# Altium PCB analog_io.PcbDoc
Units mil, origin at the board's own origin, x right, y up, seen from the top; angles counter-clockwise.
Board outline 5876 x 3057 mil, 4 copper layers (Top Layer, GND, PWR, Bottom Layer), stack 60.8 mil thick; 98 components, 90 nets, 403 pads, 218 vias.
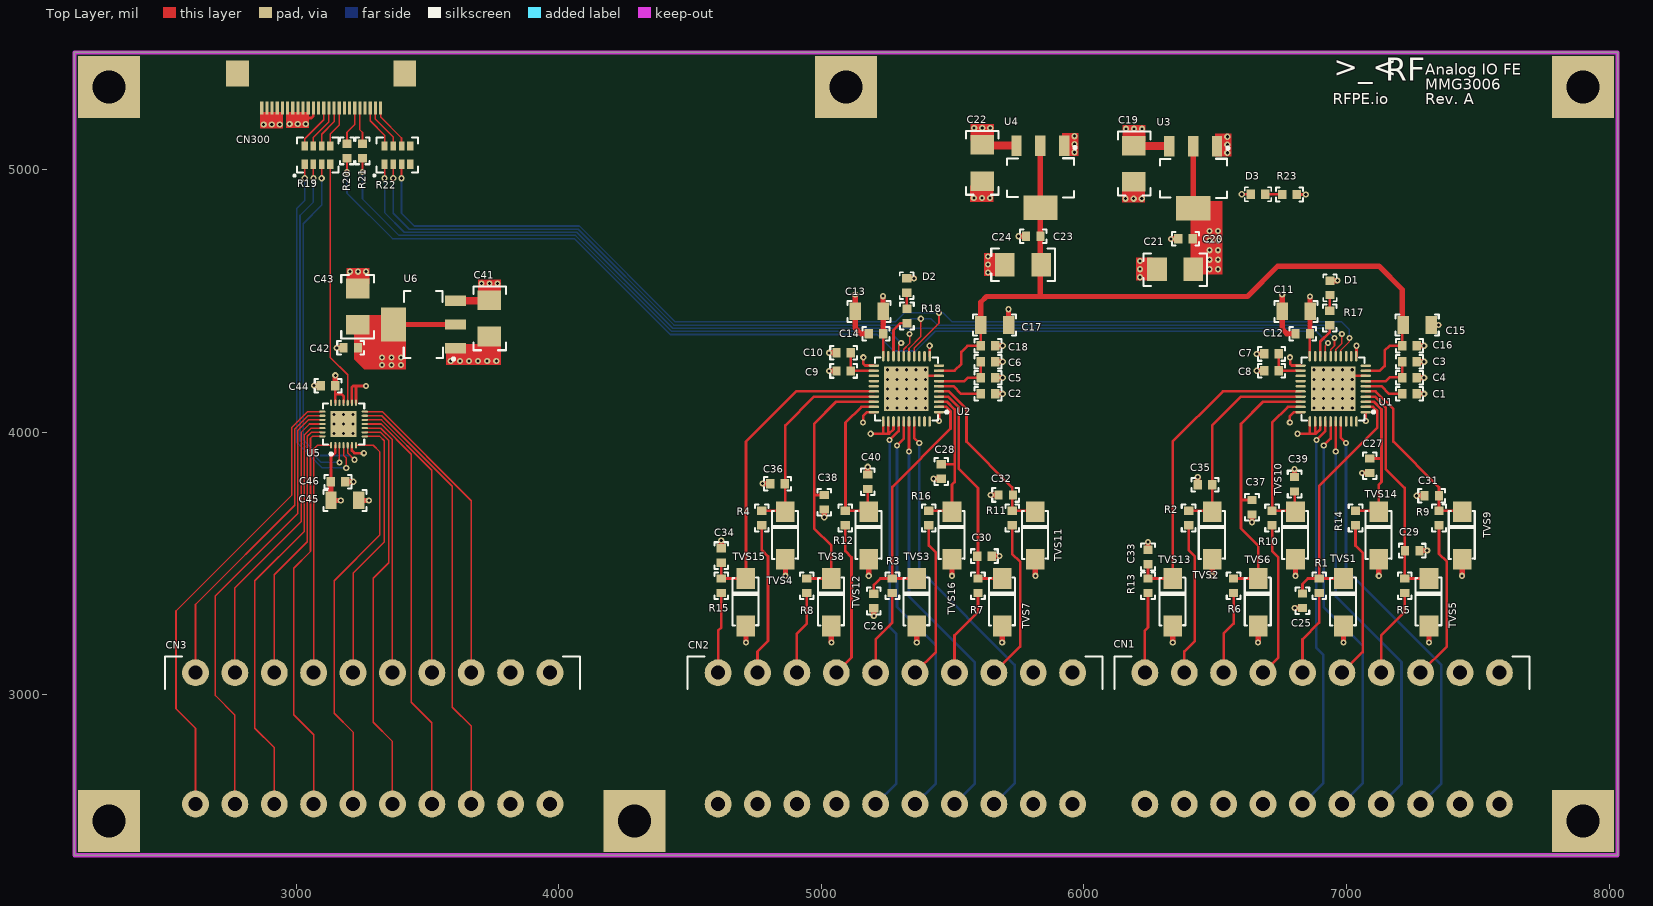
[diagram p0: Top Layer view]
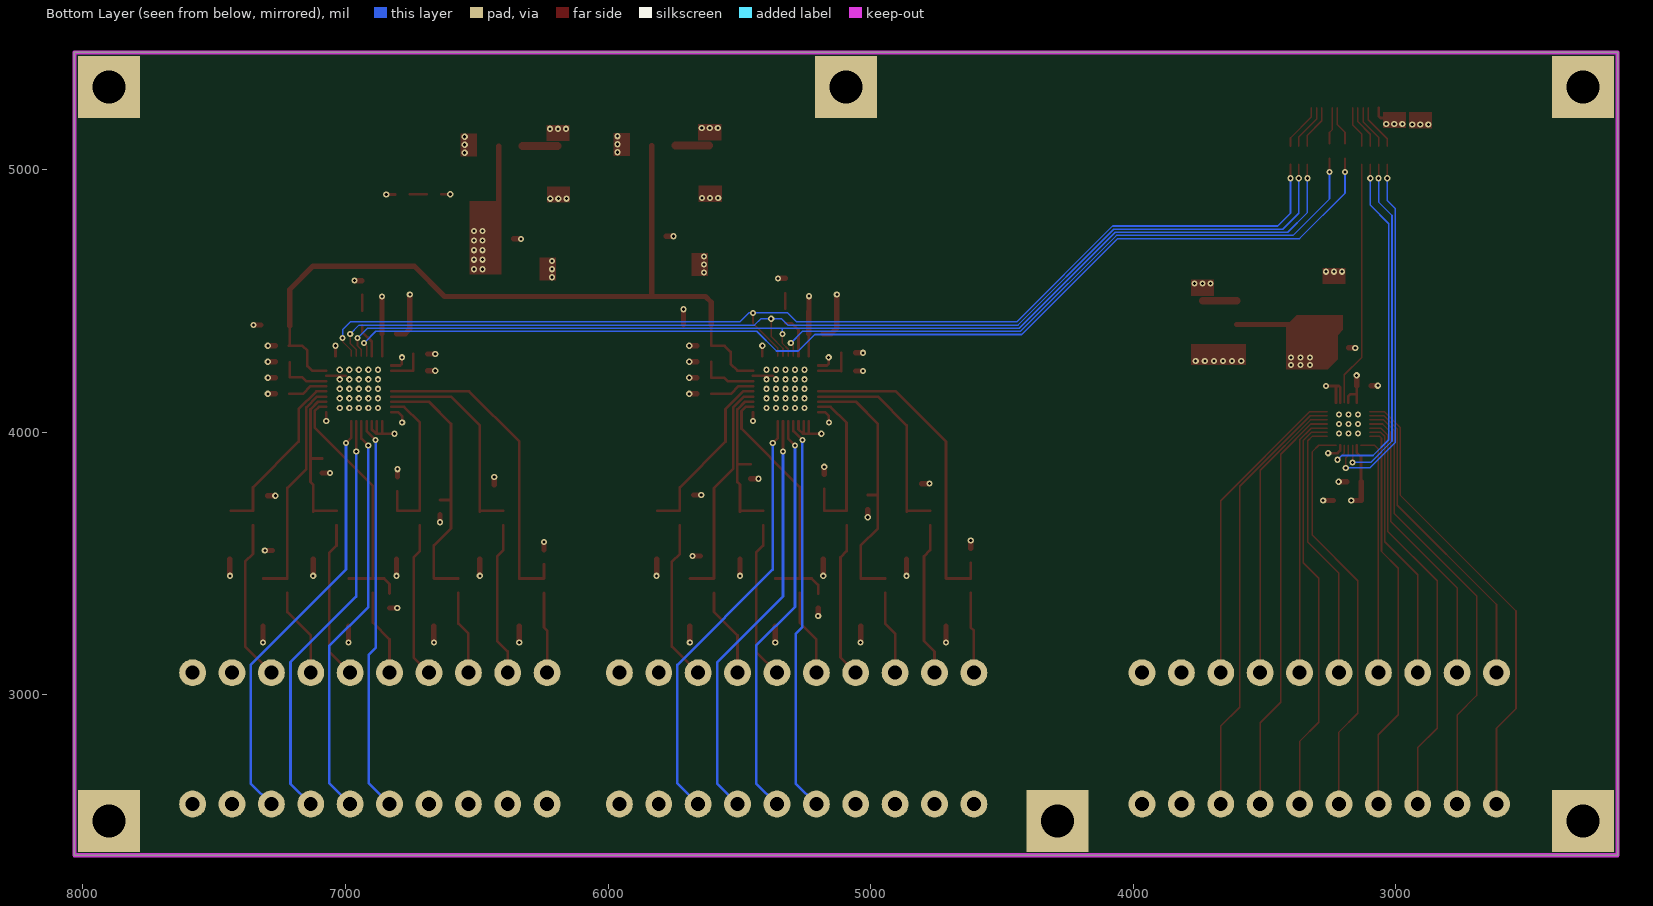
[diagram p1: Bottom Layer view, seen from below]
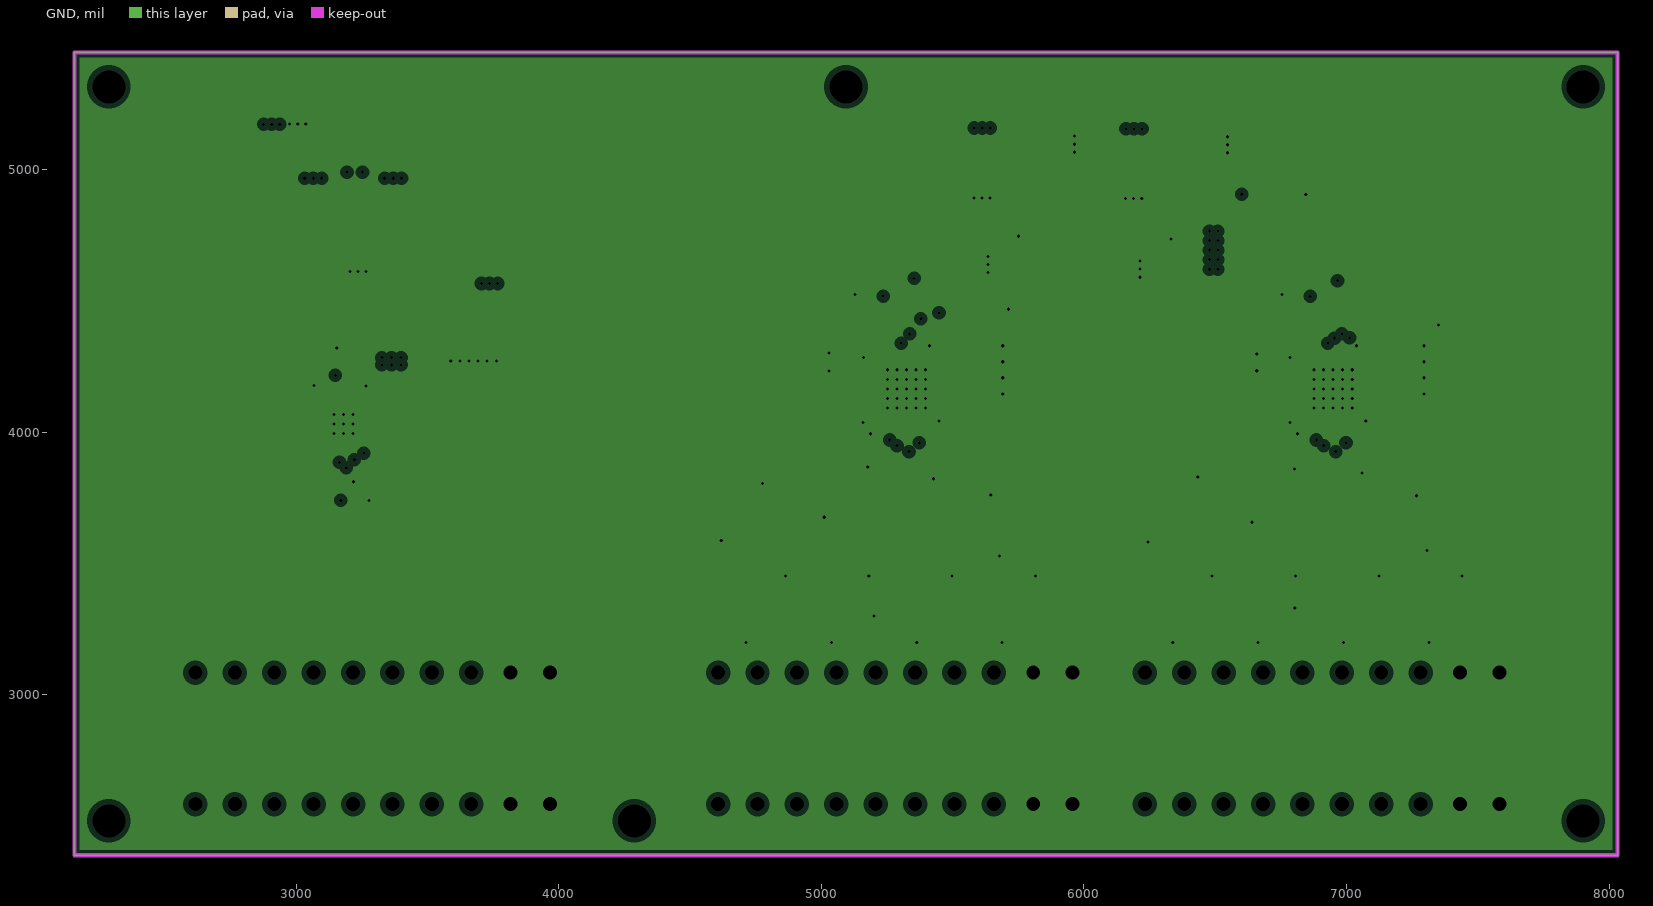
[diagram p2: GND, clearances drawn from the general rule]
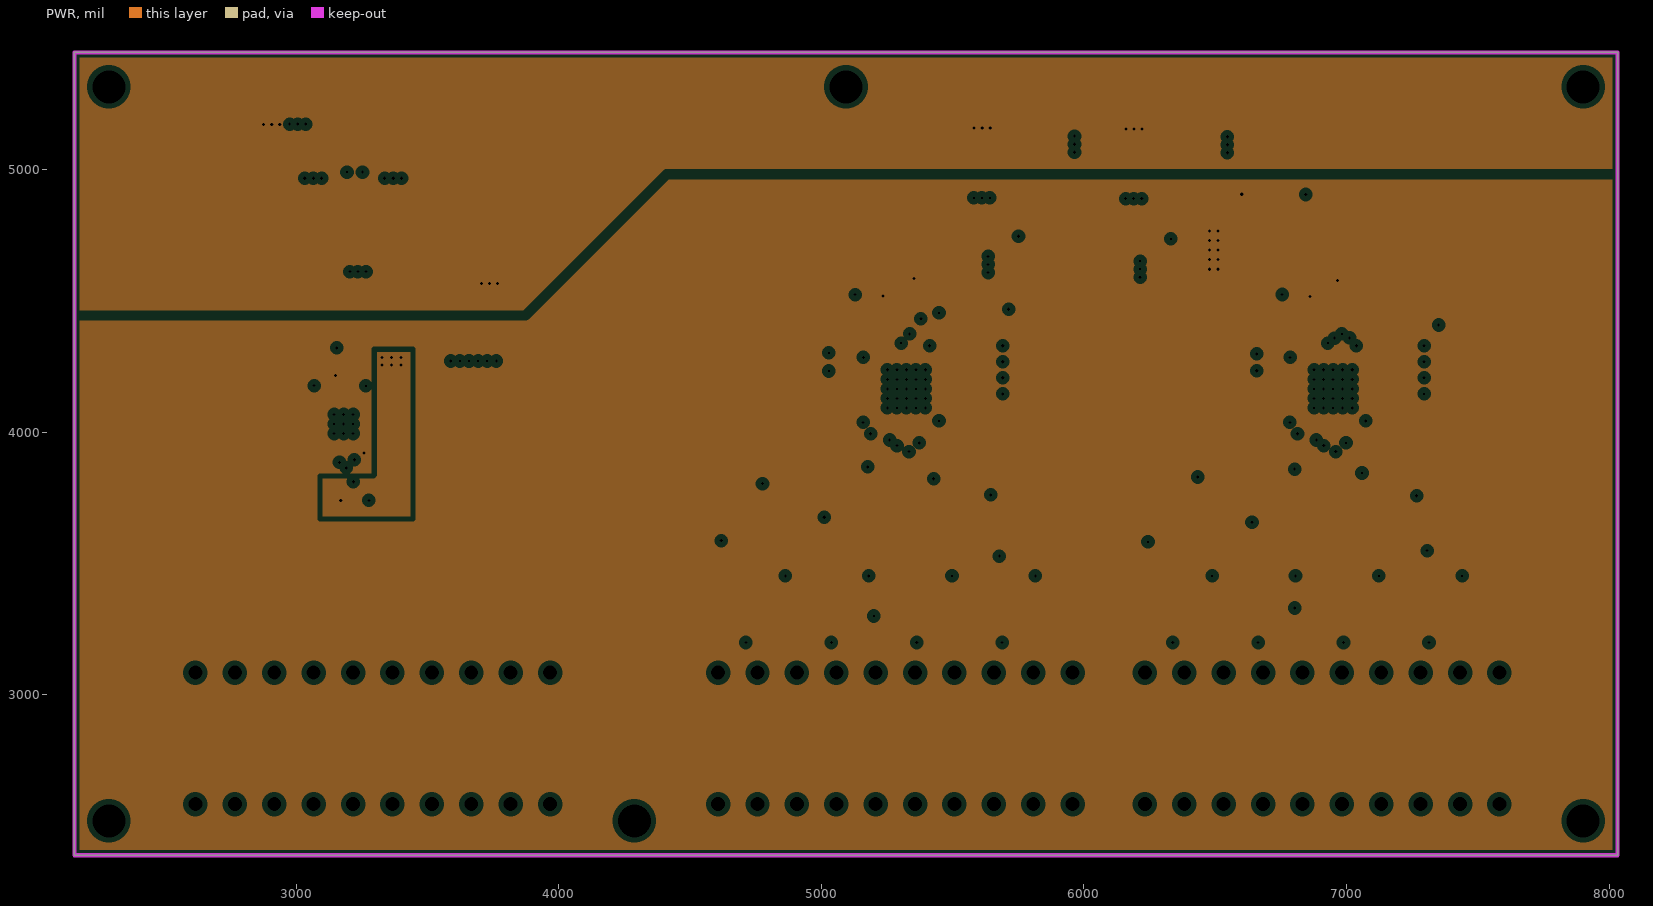
[diagram p3: PWR, clearances drawn from the general rule]

## Layer stack, top to bottom
Top Layer: signal copper 1.4
Dielectric: core 12.6, FR-4, Dk 4.8
GND: plane copper 1.4, net GND
Dielectric: prepreg 12.6, FR-4, Dk 4.8
PWR: plane copper 1.4, net D3V3
Dielectric: core 30, FR-4, Dk 4.8
Bottom Layer: signal copper 1.4

## Board outline
2156,2389 2156,5446 8032,5446 8032,2389

## Design rules (kind name [scope] priority, off if disabled: settings)
Clearance [All] p1: gap=6
Height [All] p1: minheight=0 maxheight=10000 prefheight=500
PlaneClearance [All] p1: clearance=20
PlaneConnect [All] p1: planeconnectstyle=Relief reliefexpansion=20 reliefentries=4 reliefconductorwidth=15 reliefairgap=10
PolygonConnect [All] p1: connectstyle=Relief reliefconductorwidth=10 reliefentries=4 polygonreliefangle="90 Angle"
RoutingVias [All] p1: holewidth=28 width=50 viastyle="Through Hole" minholewidth=28 minwidth=50 maxholewidth=28 maxwidth=50
SilkscreenOverComponentPads [All] p1: minsilkscreentomaskgap=10
SolderMaskExpansion [All] p1: expansion=4
Width [All] p1: maxlimit=1000 minlimit=6 preferedwidth=10
24 further rules are at their usual default settings.

## Classes and differential pairs
component class adc_420: C1 C2 C3 C4 C5 C6 C7 C8 C9 C10 C11 C12 C13 C14 C15 C16 C17 C18 C25 C26 C27 C28 C29 C30 C31 C32 C33 C34 C35 C36 C37 C38 C39 C40 CN1 CN2 D1 D2 R1 r2 R3 R4 R5 R6 R7 R8 R9 R10 R11 R12 R13 R14 R15 R16 R17 R18 TVS1 TVS2 TVS3 TVS4 TVS5 TVS6 TVS7 TVS8 TVS9 TVS10 TVS11 TVS12 TVS13 TVS14 TVS15 TVS16 U1 U2
component class analog_pwr: C19 C20 C21 C22 C23 C24 C41 C42 C43 D3 R23 U3 U4 U6
component class dac: C44 C45 C46 CN3 U5
component class aio_conn: CN300 R19 R20 R21 R22

## Components (designator, comment, footprint, x,y, rotation, side; value= is the part's Value field where it differs from the comment)
C1 "1uF" C0603 7239.56,4146 r0 top
C2 "1uF" C0603 5635,4146 r0 top
C3 "1uF" C0603 7239.56,4268 r0 top
C4 "100nF" C0603 7239.56,4207 r0 top
C5 "1uF" C0603 5635,4207 r0 top
C6 "100nF" C0603 5635,4268 r0 top
C7 "1uF" C0603 6714,4298 r180 top
C8 "100nF" C0603 6714,4234 r180 top
C9 "1uF" C0603 5085,4233 r180 top
C10 "100nF" C0603 5085,4302 r180 top
C11 "10uF" C1206N 6808,4459 r0 top
C12 "100nF" C0603 6833,4375 r180 top
C13 "10uF" C1206N 5182,4459 r0 top
C14 "100nF" C0603 5208,4375 r180 top
C15 "10uF" C1206N 7269,4409 r180 top
C16 "100nF" C0603 7239.56,4329 r0 top
C17 "10uF" C1206N 5660,4409 r180 top
C18 "100nF" C0603 5635,4329 r0 top
C19 "4.7uF" TANT_B 6193,5022 r90 top
C20 "4.7uF" C0603 6387,4736 r180 top
C21 "4.7uF" TANT_B 6347,4617 r0 top
C22 "4.7uF" TANT_B 5615,5025 r90 top
C23 "4.7uF" C0603 5807,4746 r180 top
C24 "4.7uF" TANT_B 5768,4635 r0 top
C25 "1uF" C0603 6832,3358 r90 top
C26 "1uF" C0603 5200,3357 r90 top
C27 "1uF" C0603 7088,3872 r90 top
C28 "1uF" C0603 5457,3850 r90 top
C29 "1uF" C0603 7250,3549 r180 top
C30 "1uF" C0603 5621,3528 r180 top
C31 "1uF" C0603 7324,3758 r0 top
C32 "1uF" C0603 5702,3761 r0 top
C33 "1uF" C0603 6244,3525 r270 top
C34 "1uF" C0603 4619,3530 r270 top
C35 "1uF" C0603 6461,3800 r0 top
C36 "1uF" C0603 4833,3804 r0 top
C37 "1uF" C0603 6640,3714 r90 top
C38 "1uF" C0603 5011,3733 r90 top
C39 "1uF" C0603 6802,3802 r270 top
C40 "1uF" C0603 5177,3811 r270 top
C41 "4.7uF" TANT_B 3739,4433 r90 top
C42 "4.7uF" C0603 3208,4321 r180 top
C43 "4.7uF" TANT_B 3232,4478 r270 top
C44 "100nF" C0603 3122,4177 r180 top
C45 "10uF" C1206N 3186,3741 r180 top
C46 "100nF" C0603 3160,3811 r0 top
CN1 "Phoenix Contact 1843156" PHOENIX1843156 7582,3084 r180 top
CN2 "Phoenix Contact 1843156" PHOENIX1843156 5957,3084 r180 top
CN3 "Phoenix Contact 1843156" PHOENIX1843156 3967,3084 r180 top
CN300 "Header 24" FPC-0.5-24 3161,5295 r180 top
D1 "LED0" LED0603 6938,4550 r270 top
D2 "LED0" LED0603 5326,4558.56 r270 top
D3 "LED0" LED0603 6662,4907 r0 top
R1 "10R" R0603 6895.62,3415 r90 top
R2 "10R" R0603 6398.57,3673 r90 top (schematic designator r2)
R3 "10R" R0603 5270.62,3415 r90 top
R4 "10R" R0603 4773.57,3673 r90 top
R5 "10R" R0603 7221.43,3415 r90 top
R6 "10R" R0603 6569.81,3415 r90 top
R7 "10R" R0603 5596.43,3415 r90 top
R8 "10R" R0603 4944.81,3415 r90 top
R9 "10R" R0603 7352,3673 r90 top
R10 "10R" R0603 6716.38,3673 r90 top
R11 "10R" R0603 5727,3673 r90 top
R12 "10R" R0603 5091.38,3673 r90 top
R13 "10R" R0603 6244,3415 r90 top
R14 "10R" R0603 7034.19,3673 r90 top
R15 "10R" R0603 4619,3415 r90 top
R16 "10R" R0603 5409.19,3673 r90 top
R17 "2.2k" R0603 6936,4434.44 r90 top
R18 "2.2k" R0603 5326,4442.56 r90 top
R19 "YC164-33R" YC164 3082,5055 r0 top
R20 "33R" R0603 3194,5070.94 r270 top
R21 "33R" R0603 3253,5070.94 r270 top
R22 "YC164-33R" YC164 3386,5055 r0 top
R23 "2.2k" R0603 6783,4905 r180 top
TVS1 "SMAJ10CA" SMA 7029.48,3262 r90 top
TVS2 "SMAJ10CA" SMA 6529.29,3516 r90 top
TVS3 "SMAJ10CA" SMA 5404.48,3262 r90 top
TVS4 "SMAJ10CA" SMA 4904.29,3516 r90 top
TVS5 "SMAJ10CA" SMA 7354.71,3262 r90 top
TVS6 "SMAJ10CA" SMA 6704.24,3262 r90 top
TVS7 "SMAJ10CA" SMA 5729.71,3262 r90 top
TVS8 "SMAJ10CA" SMA 5079.24,3262 r90 top
TVS9 "SMAJ10CA" SMA 7481,3516 r90 top
TVS10 "SMAJ10CA" SMA 6846.52,3516 r90 top
TVS11 "SMAJ10CA" SMA 5856,3516 r90 top
TVS12 "SMAJ10CA" SMA 5221.52,3516 r90 top
TVS13 "SMAJ10CA" SMA 6379,3262 r90 top
TVS14 "SMAJ10CA" SMA 7163.76,3516 r90 top
TVS15 "SMAJ10CA" SMA 4754,3262 r90 top
TVS16 "SMAJ10CA" SMA 5538.76,3516 r90 top
U1 "AD4111" AD7119 6949,4165 r180 top
U2 "AD4111" AD7119 5324,4165 r180 top
U3 "AMS1117" SOT223 6416,4967 r270 top
U4 "AMS1117" SOT223 5834,4969 r270 top
U5 "AD5674" PNI-MAGI2C 3181,4031 r90 top
U6 "AMS1117" SOT223 3485,4410 r180 top

## Footprints (in the part's own frame and the unit in brackets; to place one, negate y for a bottom-side part, rotate by r counter-clockwise, add the part's x,y. Pads: shape width x height; smd on the part's side, far side on the other; paste and mask are expansions set on the pad)
AD7119 [mm]
  oval 1x0.25 smd: 1(-3.15,2.25) 2(-3.15,1.75) 3(-3.15,1.25) 4(-3.15,0.75) 5(-3.15,0.25) 6(-3.15,-0.25) 7(-3.15,-0.75) 8(-3.15,-1.25) 9(-3.15,-1.75) 10(-3.15,-2.25) 21(3.15,-2.25) 22(3.15,-1.75) 23(3.15,-1.25) 24(3.15,-0.75) 25(3.15,-0.25) 26(3.15,0.25) 27(3.15,0.75) 28(3.15,1.25) 29(3.15,1.75) 30(3.15,2.25)
  oval 0.25x1 smd: 11(-2.25,-3.15) 12(-1.75,-3.15) 13(-1.25,-3.15) 14(-0.75,-3.15) 15(-0.25,-3.15) 16(0.25,-3.15) 17(0.75,-3.15) 18(1.25,-3.15) 19(1.75,-3.15) 20(2.25,-3.15) 31(2.25,3.15) 32(1.75,3.15) 33(1.25,3.15) 34(0.75,3.15) 35(0.25,3.15) 36(-0.25,3.15) 37(-0.75,3.15) 38(-1.25,3.15) 39(-1.75,3.15) 40(-2.25,3.15)
  rect 4.3x4.3 smd: EPAD(0,0)
  silkscreen extent -4.03,-3.05 3.05,3.05, body extent -3.05,-3.05 3.05,3.05, height 0.9
C0603 [mm]
  rect 0.8x0.9 smd: 1(-0.7,0) 2(0.7,0)
  silkscreen extent -1.3,-0.66 1.3,0.66, body extent -0.86,-0.43 0.86,0.43, height 0.5
C1206N [mm]
  rect 1.1x1.7 smd: 1(1.35,0.025) 2(-1.35,0.025)
  silkscreen extent -2.08,-0.99 2.08,1.04, body extent -1.59,-0.77 1.61,0.83, height 0.6
FPC-0.5-24 [mm]
  rect 0.3x1.25 smd: 1(-4.089,1.524) 2(-3.589,1.524) 3(-3.089,1.524) 4(-2.589,1.524) 5(-2.089,1.524) 6(-1.589,1.524) 7(-1.089,1.524) 8(-0.589,1.524) 9(-0.089,1.524) 10(0.411,1.524) 11(0.911,1.524) 12(1.411,1.524) 13(1.911,1.524) 14(2.411,1.524) 15(2.911,1.524) 16(3.411,1.524) 17(3.911,1.524) 18(4.411,1.524) 19(4.911,1.524) 20(5.411,1.524) 21(5.911,1.524) 22(6.411,1.524) 23(6.911,1.524) 24(7.411,1.524)
  rect 2.2x2.5 smd: NC(-6.426,-1.778) NC(9.754,-1.778)
  body extent -7.02,-3.78 10.38,1.72, height 2
LED0603 [mm]
  rect 0.8x0.9 smd: 1(-0.686,-0.025) 2(0.714,-0.025)
  silkscreen extent -1.28,-0.69 1.31,0.63, body extent -0.84,-0.48 0.86,0.42, height 0.9
PHOENIX1843156 [mm]
  round 2.6 hole 1.35: 1(0,0) 2(0,12.7) 3(3.81,0) 4(3.81,12.7) 5(7.62,0) 6(7.62,12.7) 7(11.43,0) 8(11.43,12.7) 9(15.24,0) 10(15.24,12.7) 11(19.05,0) 12(19.05,12.7) 13(22.86,0) 14(22.86,12.7) 15(26.67,0) 16(26.67,12.7) 17(30.48,0) 18(30.48,12.7) 19(34.29,0) 20(34.29,12.7)
  silkscreen extent -2.9,-1.55 37.24,1.55, body extent -2.57,-1.27 36.92,20.63, height 22.7
PNI-MAGI2C [mm]
  oval 0.6x0.2 smd: 1(-2.05,1.2) 2(-2.05,0.8) 3(-2.05,0.4) 4(-2.05,0) 5(-2.05,-0.4) 6(-2.05,-0.8) 7(-2.05,-1.2) 15(2.05,-1.2) 16(2.05,-0.8) 17(2.05,-0.4) 18(2.05,0) 19(2.05,0.4) 20(2.05,0.8) 21(2.05,1.2)
  oval 0.2x0.6 smd: 8(-1.2,-2.05) 9(-0.8,-2.05) 10(-0.4,-2.05) 11(0,-2.05) 12(0.4,-2.05) 13(0.8,-2.05) 14(1.2,-2.05) 22(1.2,2.05) 23(0.8,2.05) 24(0.4,2.05) 25(0,2.05) 26(-0.4,2.05) 27(-0.8,2.05) 28(-1.2,2.05)
  rect 2.5x2.5 smd: 29(0,0)
  silkscreen extent -3.02,-2 2,2, body extent -2,-2 2,2, height 0.75
R0603 [mm]
  rect 0.8x0.9 smd: 1(-0.7,0) 2(0.7,0)
  silkscreen extent -1.3,-0.66 1.3,0.66, body extent -0.86,-0.43 0.86,0.43, height 0.5
SMA [mm]
  rect 2x1.8 smd: 1(0,1.041) 2(4.6,1.041)
  silkscreen extent 0.03,-0.18 4.67,2.34, body extent -0.41,-0.33 5.08,2.46, height 2.24
SOT223 [mm]
  rect 2x1 smd: 1(-3.1,2.3) 2(-3.1,0) 3(-3.1,-2.3)
  rect 2.4x3.3 smd: 4(2.9,0)
  silkscreen extent -3.02,-3.23 1.91,3.48, body extent -3.48,-3.25 3.48,3.25, height 1.7
TANT_B [mil]
  rect 74.8x89.76 smd: 1(69,3) 2(-69,3)
  silkscreen extent -121,-60 122,64, body extent -73,-53 71,57, height 77
YC164 [mm]
  rect 0.61x0.9 smd: 1(-1.245,-0.889) 4(1.235,-0.889) 5(1.235,0.881) 8(-1.245,0.881)
  rect 0.53x0.9 smd: 2(-0.405,-0.889) 3(0.395,-0.889) 6(0.395,0.881) 7(-0.405,0.881)
  silkscreen extent -2.33,-2.08 2.01,1.7, body extent -1.6,-0.8 1.6,0.8, height 0.55

## Part data
C1 C2 C3 C5 C7 C9 C11 C13 C15 C17 C19 C20 C21 C22 C23 C24 C25 C26 C27 C28 C29 C30 C31 C32 C33 C34 C35 C36 C37 C38 C39 C40 C41 C42 C43 C45: library part Cap, "Capacitor"
C4 C6 C8 C10 C12 C14 C16 C18 C44 C46: library part Cap, "GRM155R71C104KA88J"
CN1 CN2 CN3: library part "Header 10X2", "Header, 10-Pin, Dual row"
CN300: "Header, 24-Pin"
D1 D2 D3: "Typical INFRARED GaAs LED"
R1 R2 R3 R4 R5 R6 R7 R8 R9 R10 R11 R12 R13 R14 R15 R16 R17 R18 R20 R21 R23: library part Res1, "Resistor"
R19 R22: library part YC164
TVS1 TVS2 TVS3 TVS4 TVS5 TVS6 TVS7 TVS8 TVS9 TVS10 TVS11 TVS12 TVS13 TVS14 TVS15 TVS16: library part DIODE

## Free pads (board coordinates)
  rect 236.22x236.22 hole 125.98: SCREW(2287,2520) SCREW(2287,5315) SCREW(4288,2520) SCREW(5094,5315) SCREW(7901,2520) SCREW(7901,5315)

## Via types
v1: diameter 23.62, hole 11.81, Top Layer to Bottom Layer, tented both sides, 218 vias

## Nets (pads, with @x,y where several pads share a name; then routed paths per layer and width w, separated by ;. In a path a pad name is that pad's centre, name@x,y a point inside that pad or via, vN(x,y) a via of type N, cw(c..) or ccw(c..) an arc to the next point about the centre after c; other vN are vias at no path point)
A3V3: C15.1 C16.1 C17.1 C18.1 C23.1 C24.1 U1.9 U2.9 U4.2 U4.4 | length 3086.7
  Top Layer w10: U2.9 5506.9,4233.9 5533,4260 5533,4306 5556,4329 C18.1 ; C18.1@5606.85,4329.59 C17.1 ; U1.9 7126.9,4233.9 7145,4252 7145,4310 7164,4329 C16.1 ; C15.1@7212,4404.15 C16.1 ; C16.1@7215.44,4329 C16.1
  Top Layer w20: C17.1 5606.85,4494.85 5629,4517 6623,4517 6738,4632 7123,4632 7212,4543 C15.1@7212,4404.15 ; 5834,4524 U4.4 U4.2
A5V: C42.1 C43.1 C45.1 C46.1 U5.2 U6.2 U6.4 | length 490.1
  Top Layer w10: C46.1@3133,3811 3133,3906 3149.5,3922.5 U5.2
  Top Layer w20: C45.1@3132.44,3740.41 C46.1 ; C45.1 v1(3170,3740) ; U6.4 U6.2
  other v1: 3327,4256 3363.25,4256 3399.5,4256 3327,4284 3363.25,4284 3399.5,4284
ADC1_CS: R20.2 U1.17 | length 4220.8
  Top Layer w6: v1(3194,4990.38) R20.2 ; U1.17 6919.47,4329.47 v1(6929,4339)
  Bottom Layer w6: v1(3194,4990.38) 3194,4910 3367,4737 4059.12,4737 4424.31,4371.81 5213,4371.81 5275.81,4309 5359,4309 5433.81,4383.81 6884.19,4383.81 v1(6929,4339)
ADC2_CS: R21.2 U2.17 | length 2487.7
  Top Layer w6: v1(3253,4990.38) R21.2 ; U2.17 5294.47,4329.47 v1(5304,4339)
  Bottom Layer w6: v1(3253,4990.38) 3253,4888 3392,4749 4064.09,4749 4429.28,4383.81 5259.19,4383.81 v1(5304,4339)
ADC_DIN: R22.2 U1.15 U2.15 | length 4264.4
  Top Layer w6: v1(3370.07,4967) R22.2 ; U2.15 5333.84,4318.84 5379,4364 v1(5379,4432) ; U1.15 6958.84,4314.84 6981,4337 v1@6981,4374
  Bottom Layer w6: v1(3370.07,4967) 3370.07,4833.93 3431,4773 4074.03,4773 4439.22,4407.81 5315.81,4407.81 5340,4432 v1(5379,4432) 5418,4432 5442.19,4407.81 6948.19,4407.81 v1(6982,4374)
ADC_DOUT: R22.3 U1.14 U2.14 | length 4326.5
  Top Layer w6: v1(3401.57,4967) R22.3 ; U2.14 5353.53,4320.53 5448,4415 v1(5448,4454) ; U1.14 6978.53,4312.53 7011,4345 v1(7011,4359)
  Bottom Layer w6: v1(3401.57,4967) 3401.57,4833.43 3450,4785 4079,4785 4444.19,4419.81 5282,4419.81 5316.19,4454 v1(5448,4454) 5464,4454 5498.19,4419.81 6981.19,4419.81 7011,4390 v1(7011,4359)
ADC_SCLK: R22.1 U1.16 U2.16 | length 4190
  Top Layer w6: v1(3337,4967) R22.1 ; U2.16 5314.16,4316.16 5336,4338 v1(5336,4374) ; U1.16 6939.16,4314.16 6954,4329 v1(6954,4358)
  Bottom Layer w6: v1(3337,4967) 3337,4836 3412,4761 4069.06,4761 4434.25,4395.81 5336,4395.81 ; v1(5336,4374) 5336,4395.81 ; v1(6954,4358) 6916.19,4395.81 5336,4395.81
D3V3: C11.1 C12.1 C13.1 C14.1 C20.1 C21.1 C44.1 D1.1 D2.1 D3.1 U1.20 U2.20 U3.2 U3.4 U5.6 U5.18 U5.20 | length 1016.1
  Top Layer w10: U5.20 3149.5,4144 ; C44.1@3149.5,4176 3149.5,4144 ; U5.18 3181,4137 3174,4144 3149.5,4144 ; U5.6 3212.5,3929.5 3222,3920 v1(3258,3920) ; U2.20 C14.1@5235.42,4374.86 ; v1(6601,4906) D3.1 ; U1.20 C12.1@6860.42,4374.86
  Top Layer w20: C44.1 v1(3149.56,4216.44) ; C13.1 v1(5235.15,4517.85) ; C14.1 C13.1@5235.56,4459.59 ; D2.1 v1(5353.44,4585.56) ; U3.4 U3.2 ; C12.1 C11.1@6860.56,4459.41 ; C11.1 v1(6861.15,4516.85) ; D1.1 v1(6965.44,4577)
  other v1: 6478,4620.5 6510,4620.5 6478,4656.75 6510,4656.75 6478,4693 6510,4693 6478,4729.25 6510,4729.25 6478,4765.5 6510,4765.5
DAC_LDAC: R19.4 U5.17 | length 935.7
  Top Layer w6: R19.4 3130.64,4284.36 3196.75,4218.25 U5.17
DAC_SCLK: R19.1 U5.4 | length 1390.1
  Top Layer w6: v1(3033,4967) R19.1 ; U5.4 3181,3912 3191,3902 v1(3191,3864)
  Bottom Layer w6: v1(3033,4967) 3033,4882 3003,4852 3003,3961 3100.06,3863.94 3190.94,3863.94 v1(3191,3864)
DAC_SDI: R19.3 U5.5 | length 1370.5
  Top Layer w6: v1(3097.57,4967) R19.3 ; U5.5 3196.75,3920.25 v1(3222,3895)
  Bottom Layer w6: v1(3097.57,4967) 3097.57,4864.57 3027,4794 3027,3970.94 3086.94,3911 3206,3911 v1(3222,3895)
DAC_SYNC: R19.2 U5.3 | length 1324.6
  Top Layer w6: v1(3066.07,4967) R19.2 ; v1(3165.25,3884.75) U5.3
  Bottom Layer w6: v1(3066.07,4967) 3066.07,4876.07 3015,4825 3015,3965.97 3096.22,3884.75 v1(3165.25,3884.75)
GND: C1.2 C2.2 C3.2 C4.2 C5.2 C6.2 C7.2 C8.2 C9.2 C10.2 C11.2 C12.2 C13.2 C14.2 C15.2 C16.2 C17.2 C18.2 C19.2 C20.2 C21.2 C22.2 C23.2 C24.2 C25.1 C26.1 C27.1 C28.1 C29.1 C30.1 C31.1 C32.1 C33.1 C34.1 C35.1 C36.1 C37.1 C38.1 C39.1 C40.1 C41.2 C42.2 C43.2 C44.2 C45.2 C46.2 CN1.1 CN1.2 CN1.3 CN1.4 CN2.1 CN2.2 CN2.3 CN2.4 CN3.1 CN3.2 CN3.3 CN3.4 CN300.14 CN300.15 CN300.16 CN300.17 CN300.18 CN300.19 R23.1 TVS1.1 TVS2.1 TVS3.1 TVS4.1 TVS5.1 TVS6.1 TVS7.1 TVS8.1 TVS9.1 TVS10.1 TVS11.1 TVS12.1 TVS13.1 TVS14.1 TVS15.1 TVS16.1 U1.1 U1.8 U1.11 U1.21 U1.30 U1.31 U1.32 U1.33 U1.EPAD U2.1 U2.8 U2.11 U2.21 U2.30 U2.31 U2.32 U2.33 U2.EPAD U3.1 U4.1 U5.15 U5.16 U5.29 U6.1 | length 3739.5
  Top Layer w10: 3038,5196 3058,5196 3066.09,5204.09 CN300.14 ; U5.16 3212.5,4171.5 3217,4176 v1(3266,4176) ; U5.15 3228.24,4173.76 ; v1(5159,4037) 5159,4061 5174.42,4076.42 U2.30 ; v1(5160,4285) 5160,4260 5166.42,4253.58 U2.21 ; v1(5188,3994) 5258,3994 5274.79,4010.79 U2.33 ; 5235.42,3994.58 U2.31 ; 5255.1,3996.9 U2.32 ; U2.EPAD@5373.21,4214.21 U2.8 ; U2.11 v1(5412.58,4329) ; v1(5448.02,4043.02) U2.1 ; v1(6784,4037) 6784,4061 6799.42,4076.42 U1.30 ; v1(6785,4285) 6785,4260 6791.42,4253.58 U1.21 ; R23.1 v1(6844.56,4905) ; v1(6813,3994) 6883,3994 6899.79,4010.79 U1.33 ; 6860.42,3994.58 U1.31 ; 6880.1,3996.9 U1.32 ; U1.EPAD@6998.21,4214.21 U1.8 ; U1.11 v1(7037.58,4329) ; v1(7073.02,4043.02) U1.1
  Top Layer w20: v1(3069,4177) C44.2 ; v1(3155,4321) C42.2 ; C46.2 v1(3218,3811) ; C45.2 v1(3277,3740) ; C34.1 v1(4619,3587) ; v1(4713,3199) TVS15.1 ; v1(4776,3804) C36.1 ; v1(4863.29,3453) TVS4.1 ; v1(5011,3676) C38.1 ; v1(5029,4233) C9.2 ; v1(5029,4302) C10.2 ; v1(5038.24,3199) TVS8.1 ; v1(5128.85,4523.85) C13.2 5128.85,4396.15 5150,4375 C14.2 ; C40.1 v1(5177,3868) ; v1(5180.52,3453) TVS12.1 ; v1(5200,3300) C26.1 ; v1(5363.48,3199) TVS3.1 ; v1(5427.56,3822.44) C28.1 ; v1(5497.76,3453) TVS16.1 ; v1(5645,3761) C32.1 ; C30.1 v1(5678,3528) ; C2.2 v1(5691,4146) ; C5.2 v1(5691,4207) ; C6.2 v1(5691,4268) ; C18.2 v1(5691,4329) ; v1(5688.71,3199) TVS7.1 ; C17.2 v1(5713.15,4468.15) ; v1(5751,4746) C23.2 ; v1(5815,3453) TVS11.1 ; C33.1 v1(6244,3582) ; v1(6331,4736) C20.2 ; v1(6338,3199) TVS13.1 ; C35.1 v1(6433.44,3829.44) ; v1(6488.29,3453) TVS2.1 ; v1(6640,3657) C37.1 ; v1(6658,4234) C8.2 ; v1(6658,4298) C7.2 ; v1(6663.24,3199) TVS6.1 ; v1(6754.85,4524.15) C11.2 6754.85,4392.15 6772,4375 C12.2 ; C39.1 v1(6802,3859) ; v1(6802.56,3330.44) C25.1 ; v1(6805.52,3453) TVS10.1 ; v1(6988.48,3199) TVS1.1 ; v1(7058.56,3844.44) C27.1 ; v1(7122.76,3453) TVS14.1 ; v1(7267,3758) C31.1 ; C1.2 v1(7295.56,4146) ; C4.2 v1(7295.56,4207) ; C3.2 v1(7295.56,4268) ; C16.2 v1(7295.56,4329) ; C29.1 v1(7307,3549) ; v1(7313.71,3199) TVS5.1 ; C15.2 v1(7350.59,4408) ; v1(7440,3453) TVS9.1
  other v1: 3144.75,3994.75 3181,3994.75 3217.25,3994.75 3144.75,4031 3181,4031 3217.25,4031 3144.75,4067.25 3181,4067.25 3217.25,4067.25 5251.5,4092.5 5287.75,4092.5 5324,4092.5 5360.25,4092.5 5396.5,4092.5 6876.5,4092.5 6912.75,4092.5 6949,4092.5 6985.25,4092.5 7021.5,4092.5 5251.5,4128.75 5287.75,4128.75 5324,4128.75 5360.25,4128.75 5396.5,4128.75 6876.5,4128.75 6912.75,4128.75 6949,4128.75 6985.25,4128.75 7021.5,4128.75 5251.5,4165 5287.75,4165 5324,4165 5360.25,4165 5396.5,4165 6876.5,4165 6912.75,4165 6949,4165 6985.25,4165 7021.5,4165 5251.5,4201.25 5287.75,4201.25 5324,4201.25 5360.25,4201.25 5396.5,4201.25 6876.5,4201.25 6912.75,4201.25 6949,4201.25 6985.25,4201.25 7021.5,4201.25 5251.5,4237.5 5287.75,4237.5 5324,4237.5 5360.25,4237.5 5396.5,4237.5 6876.5,4237.5 6912.75,4237.5 6949,4237.5 6985.25,4237.5 7021.5,4237.5 3589,4271 3623.7,4271 3658.4,4271 3693.1,4271 3727.8,4271 3762.5,4271 6214,4590 5635,4608 3205,4611 3235.62,4611 3266.25,4611 6214,4620.62 5635,4638.62 6214,4651.25 5635,4669.25 6158.75,4889 6189.38,4889 6220,4889 5580.75,4892 5611.38,4892 5642,4892 6546,5063.75 5964,5065.75 6546,5094.38 5964,5096.38 6546,5125 5964,5127 2975.75,5173 3006.38,5173 3037,5173
IIN0: CN1.12 U1.34 | length 1514.8
  Top Layer w10: v1(6885,3970) 6919.47,4004.47 U1.34
  Bottom Layer w10: CN1.12 6911,2663 6911,3153 6885,3179 v1(6885,3970)
IIN1: CN1.10 U1.35 | length 1561.8
  Top Layer w10: v1(6913,3949) 6939.16,3975.16 U1.35
  Bottom Layer w10: v1(6913,3949) 6913,3335 7061,3187 7061,2663 CN1.10
IIN2: CN1.8 U1.36 | length 1592.5
  Top Layer w10: v1(6958.84,3925.84) U1.36
  Bottom Layer w10: v1(6958.84,3925.84) 6958.84,3374.16 7209,3124 7209,2661 CN1.8
IIN2_0: CN2.12 U2.34 | length 1514.8
  Top Layer w10: v1(5260,3970) 5294.47,4004.47 U2.34
  Bottom Layer w10: CN2.12 5286,2663 5286,3232 5260,3258 v1(5260,3970)
IIN2_1: CN2.10 U2.35 | length 1561.8
  Top Layer w10: v1(5288,3949) 5314.16,3975.16 U2.35
  Bottom Layer w10: v1(5288,3949) 5288,3335 5436,3187 5436,2663 CN2.10
IIN2_2: CN2.8 U2.36 | length 1592.5
  Top Layer w10: v1(5333.84,3925.84) U2.36
  Bottom Layer w10: v1(5333.84,3925.84) 5333.84,3374.16 5584,3124 5584,2661 CN2.8
IIN2_3: CN2.6 U2.37 | length 1648.1
  Top Layer w10: U2.37 5353.53,3978.47 v1(5373,3959)
  Bottom Layer w10: v1(5373,3959) 5373,3477 5736,3114 5736,2663 CN2.6
IIN3: CN1.6 U1.37 | length 1648.1
  Top Layer w10: U1.37 6978.53,3978.47 v1(6998,3959)
  Bottom Layer w10: v1(6998,3959) 6998,3477 7361,3114 7361,2663 CN1.6
NetC1_1: C1.1 U1.6 | length 153.4
  Top Layer w10: U1.6 7133.16,4174.84 7162,4146 C1.1@7214.44,4146
NetC2_1: C2.1 U2.6 | length 171.4
  Top Layer w10: U2.6 5503.16,4174.84 5532,4146 C2.1
NetC3_1: C3.1 C4.1 U1.7 | length 202
  Top Layer w10: U1.7 7149.53,4194.53 7164,4209 7212,4209 C3.1@7212,4266
NetC5_1: C5.1 C6.1 U2.7 | length 225.6
  Top Layer w10: U2.7 5544.53,4194.53 5557,4207 C5.1 C6.1
NetC7_1: C7.1 C8.1 U1.22 | length 147.3
  Top Layer w10: C8.1 C7.1 ; C8.1@6741.66,4233.9 U1.22
NetC9_1: C9.1 C10.1 U2.22 | length 155.5
  Top Layer w10: C9.1 C10.1 ; C9.1@5113.46,4233.9 U2.22
NetCN300_1: CN300.1 R22.6 | length 178.3
  Top Layer w6: CN300.1 3322,5200 3401.57,5120.43 R22.6
NetCN300_2: CN300.2 R22.7 | length 173.4
  Top Layer w6: CN300.2 3302.32,5191.69 3370.07,5123.93 R22.7
NetCN300_3: CN300.3 R22.8 | length 167.8
  Top Layer w6: CN300.3 3282.63,5185.37 3337,5131 R22.8
NetCN300_5: CN300.5 R21.1 | length 140.5
  Top Layer w6: CN300.5 3243.26,5150.74 3253,5141 R21.1
NetCN300_6: CN300.6 R20.1 | length 148.8
  Top Layer w6: R20.1 3194,5142 3223.57,5171.57 CN300.6
NetCN300_9: CN300.9 R19.5 | length 159.3
  Top Layer w6: R19.5 3130.64,5135.64 3164.52,5169.52 CN300.9
NetCN300_10: CN300.10 R19.6 | length 164.9
  Top Layer w6: R19.6 3097.57,5134.57 3144.83,5181.83 CN300.10
NetCN300_11: CN300.11 R19.7 | length 169.8
  Top Layer w6: R19.7 3066.07,5123.07 3125.15,5182.15 CN300.11
NetCN300_12: CN300.12 R19.8 | length 175.3
  Top Layer w6: R19.8 3033,5117 3105.46,5189.46 CN300.12
NetD1_2: D1.2 R17.2 | length 61.3
  Top Layer w10: R17.2 D1.2@6936,4523.32
NetD2_2: D2.2 R18.2 | length 59.3
  Top Layer w10: R18.2 D2.2@5326,4529.44
NetD3_2: D3.2 R23.2 | length 64.3
  Top Layer w10: D3.2 R23.2@6754.44,4906
NetR17_1: R17.1 U1.18 | length 132.9
  Top Layer w10: U1.18 6899.79,4344.79 6936,4381 R17.1
NetR18_1: R18.1 U2.18 | length 161.8
  Top Layer w10: U2.18 5274.79,4388.79 5301,4415 R18.1
VIN: C19.1 C22.1 C41.1 CN300.20 CN300.21 CN300.22 CN300.23 CN300.24 U3.3 U4.3 U6.3 | length 389.5
  Top Layer w30: U6.3 C41.1@3734.55,4500.55 ; C22.1@5614.95,5091.05 U4.3 ; C19.1@6191.95,5089.05 U3.3
  other v1: 3706,4566 3736.62,4566 3767.25,4566 6160,5155 6190.62,5155 6221.25,5155 5582,5158 5612.62,5158 5643.25,5158 2876.75,5172 2907.38,5172 2938,5172
VIN0: CN1.11 R1.1 | length 329.8
  Top Layer w10: CN1.11 6832,3211 6895.62,3274.62 R1.1
VIN0_Z: C25.2 R1.2 TVS1.2 U1.2 | length 980.9
  Top Layer w10: C25.2 6832,3422 6852.56,3442.56 R1.2 ; TVS1.2@6987.93,3442.56 R1.2 ; U1.2 7101.27,4096.1 7117,4080.37 7117,4017 6895.62,3795.62 R1.2
VIN0_Z2: C26.2 R3.2 TVS3.2 U2.2 | length 986.6
  Top Layer w10: C26.2 5200,3418 5224.56,3442.56 R3.2 ; TVS3.2@5362.93,3442.56 R3.2 ; U2.2 5476.27,4096.1 5492,4080.37 5492,4013 5270.62,3791.62 R3.2
VIN1: CN1.9 R14.1 | length 605.3
  Top Layer w10: CN1.9 7061,3163 7061,3541 7034.19,3567.81 R14.1
VIN1_Z: C27.2 R14.2 TVS14.2 U1.3 | length 594.6
  Top Layer w10: R14.2 TVS14.2@7119.31,3700.56 ; U1.3 7104.21,4115.79 7133,4087 7133,3810 7122.76,3799.76 TVS14.2 ; C27.2 7131.44,3899.56
VIN1_Z2: C28.2 R16.2 TVS16.2 U2.3 | length 598.7
  Top Layer w10: R16.2 TVS16.2@5494.31,3700.56 ; U2.3 5479.21,4115.79 5508,4087 5508,3810 5497.76,3799.76 TVS16.2 ; C28.2 5504.56,3877.56
VIN2: CN1.7 R5.1 | length 340.5
  Top Layer w10: CN1.7 7132,3226 7221.43,3315.43 R5.1
VIN2_0: CN2.11 R3.1 | length 329.8
  Top Layer w10: CN2.11 5207,3211 5270.62,3274.62 R3.1
VIN2_1: CN2.9 R16.1 | length 605.3
  Top Layer w10: CN2.9 5436,3163 5436,3541 5409.19,3567.81 R16.1
VIN2_2: CN2.7 R7.1 | length 340.5
  Top Layer w10: CN2.7 5507,3226 5596.43,3315.43 R7.1
VIN2_3: CN2.5 R11.1 | length 615.3
  Top Layer w10: CN2.5 5757,3184 5757,3507 5727,3537 R11.1
VIN2_4: CN2.19 R15.1 | length 308.4
  Top Layer w10: CN2.19 4607,3244 4619,3256 R15.1
VIN2_5: CN2.17 R4.1 | length 587.7
  Top Layer w10: CN2.17 4757,3165 4797,3205 4797,3527 4773.57,3550.43 R4.1
VIN2_6: CN2.15 R8.1 | length 319.1
  Top Layer w10: CN2.15 4907,3233 4944.81,3270.81 R8.1
VIN2_7: CN2.13 R12.1 | length 595.2
  Top Layer w10: CN2.13 5115,3142 5115,3523 5091.38,3546.62 R12.1
VIN2_Z: C29.2 R5.2 TVS5.2 U1.4 | length 866.6
  Top Layer w10: U1.4 7107.9,4135.47 7149,4094.37 7149,3860 7221.43,3787.57 R5.2 TVS5.2@7313.17,3442.56
VIN2_Z2: C30.2 R7.2 TVS7.2 U2.4 | length 866.6
  Top Layer w10: U2.4 5482.9,4135.47 5524,4094.37 5524,3860 5596.43,3787.57 R7.2 TVS7.2@5688.17,3442.56
VIN3: CN1.5 R9.1 | length 615.3
  Top Layer w10: CN1.5 7382,3184 7382,3507 7352,3537 R9.1
VIN3_Z: C31.2 R9.2 TVS9.2 U1.5 | length 676.9
  Top Layer w10: U1.5 7110.84,4155.16 7178,4088 7178,3964 7352,3790 R9.2 TVS9.2@7436.54,3700.56
VIN3_Z2: C32.2 R11.2 TVS11.2 U2.5 | length 676.9
  Top Layer w10: U2.5 5485.84,4155.16 5553,4088 5553,3964 5727,3790 R11.2 TVS11.2@5811.54,3700.56
VIN4: CN1.19 R13.1 | length 308.4
  Top Layer w10: CN1.19 6232,3244 6244,3256 R13.1
VIN4_Z: C33.2 R13.2 TVS13.2 U1.26 | length 1235.4
  Top Layer w10: C33.2 R13.2 TVS13.2@6337.46,3442.56 ; TVS13.2 6338,3964 6529.16,4155.16 U1.26
VIN4_Z2: C34.2 R15.2 TVS15.2 U2.26 | length 1240.4
  Top Layer w10: C34.2 R15.2 TVS15.2@4712.46,3442.56 ; TVS15.2 4713,3964 4904.16,4155.16 U2.26
VIN5: CN1.17 R2.1 | length 587.7
  Top Layer w10: CN1.17 6382,3165 6422,3205 6422,3527 6398.57,3550.43 R2.1
VIN5_Z: C35.2 R2.2 TVS2.2 U1.27 | length 797.4
  Top Layer w10: R2.2 TVS2.2@6484.84,3700.56 ; TVS2.2 6488.29,4026.29 6597.47,4135.47 U1.27
VIN5_Z2: C36.2 R4.2 TVS4.2 U2.27 | length 797.4
  Top Layer w10: R4.2 TVS4.2@4859.84,3700.56 ; TVS4.2 4863.29,4026.29 4972.47,4135.47 U2.27
VIN6: CN1.15 R6.1 | length 319.1
  Top Layer w10: CN1.15 6532,3233 6569.81,3270.81 R6.1
VIN6_Z: C37.2 R6.2 TVS6.2 U1.28 | length 1010.1
  Top Layer w10: R6.2 TVS6.2@6662.69,3442.56 ; 6600.44,3741.56 C37.2 ; TVS6.2 6663.24,3568.76 6598,3634 6598,4032 6681.79,4115.79 U1.28
VIN6_Z2: C38.2 R8.2 TVS8.2 U2.28 | length 1007.1
  Top Layer w10: R8.2 TVS8.2@5037.69,3442.56 ; 4974.44,3760.56 C38.2 ; TVS8.2 5038.24,3568.76 4973,3634 4973,4032 5056.79,4115.79 U2.28
VIN7: CN1.13 R10.1 | length 595.2
  Top Layer w10: CN1.13 6740,3142 6740,3523 6716.38,3546.62 R10.1
VIN7_Z: C39.2 R10.2 TVS10.2 U1.29 | length 628.1
  Top Layer w10: TVS10.2@6802,3700.63 C39.2 ; TVS10.2@6802.07,3700.56 R10.2 6717,3701.18 6717,4036 6777.1,4096.1 U1.29
VIN7_Z2: C40.2 R12.2 TVS12.2 U2.29 | length 636.2
  Top Layer w10: R12.2 TVS12.2@5177.07,3700.56 ; R12.2@5092,3701.18 5092,4036 5152.1,4096.1 U2.29 ; TVS12.2@5177,3700.63 C40.2
VOUT0: CN3.13 U5.1 | length 924.7
  Top Layer w6: CN3.13 3067,3936 3081.29,3950.29 U5.1
VOUT1: CN3.14 U5.28 | length 1499.4
  Top Layer w6: CN3.14 3067,2848 2991,2924 2991,3482 3055,3546 3055,3977.5 3061.25,3983.76 U5.28
VOUT2: CN3.15 U5.27 | length 1015.9
  Top Layer w6: CN3.15 2917,3457 3043,3583 3043,3984.03 3058.47,3999.5 U5.27
VOUT3: CN3.16 U5.26 | length 1593.7
  Top Layer w6: CN3.16 2917,2799 2843,2873 2843,3434 3031,3622 3031,3989 3057.25,4015.25 U5.26
VOUT4: CN3.9 U5.10 | length 1010.7
  Top Layer w6: U5.10 3322.87,4015.25 3367,3971.12 CN3.9
VOUT5: CN3.10 U5.9 | length 1543.1
  Top Layer w6: U5.9 3321.64,3999.5 3353,3968.15 3353,3503 3294,3444 3294,2895 3367,2822 CN3.10
VOUT6: CN3.11 U5.8 | length 1013.5
  Top Layer w6: CN3.11 3217,3463 3336,3582 3336,3967 3319.24,3983.76 U5.8
VOUT7: CN3.12 U5.7 | length 1543.3
  Top Layer w6: CN3.12 3217,2858 3145,2930 3145,3434 3318,3607 3318,3926 3293.71,3950.29 U5.7
VOUT8: CN3.17 U5.25 | length 1113.9
  Top Layer w6: CN3.17 2767,3407 3019,3659 3019,3999 3051,4031 U5.25
VOUT9: CN3.18 U5.24 | length 1693.5
  Top Layer w6: CN3.18 2767,2923 2693,2997 2693,3377 3007,3691 3007,4007.06 3046.69,4046.75 U5.24
VOUT10: CN3.19 U5.23 | length 1210.8
  Top Layer w6: CN3.19 2617,3344 2995,3722 2995,4012.03 3045.47,4062.5 U5.23
VOUT11: CN3.20 U5.22 | length 1788.6
  Top Layer w6: CN3.20 2617,2873 2543,2947 2543,3319 2983,3759 2983,4017 3044.24,4078.24 U5.22
VOUT12: CN3.5 U5.14 | length 1200.8
  Top Layer w6: U5.14 3327.76,4078.24 3667,3739 CN3.5
VOUT13: CN3.6 U5.13 | length 1684.3
  Top Layer w6: U5.13 3326.53,4062.5 3595,3794.03 3595,2953 3667,2881 CN3.6
VOUT14: CN3.7 U5.12 | length 1105.8
  Top Layer w6: U5.12 3325.31,4046.75 3517,3855.06 CN3.7
VOUT15: CN3.8 U5.11 | length 1589.3
  Top Layer w6: U5.11 3324.09,4031 3439,3916.09 3439,2972 3517,2894 CN3.8
pads on no net: CN1.14 CN1.16 CN1.18 CN1.20 CN2.14 CN2.16 CN2.18 CN2.20 CN300.4 CN300.7 CN300.8 CN300.13 CN300.NC R22.4 R22.5 U1.10 U1.12 U1.13 U1.19 U1.23 U1.24 U1.25 U1.38 U1.39 U1.40 U2.10 U2.12 U2.13 U2.19 U2.23 U2.24 U2.25 U2.38 U2.39 U2.40 U5.19 U5.21

## Polygon pours and split planes (outlines as drawn)
GND on GND (split plane): 8011.9,2409.1 2176.1,2409.1 2176.1,5425.9 8011.9,5425.9
VIN on PWR (split plane): 8011.9,5001.78 4411,5001.78 4407.14,5001.4 4403.43,5000.27 4400.01,4998.45 4397.01,4995.99 3864.81,4463.78 2176.1,4463.78 2176.1,5425.9 8011.9,5425.9
A5V on PWR (split plane): 3435.07,3684 3435.07,3678.93 3100.93,3678.93 3100.93,3823.67 3294.6,3823.67 3297.17,3824.01 3299.56,3825 3301.62,3826.58 3305.02,3829.98 3306.6,3832.04 3307.59,3834.43 3307.93,3837 3307.93,4306.07 3435.07,4306.07
D3V3 on PWR (split plane): 8011.9,2409.1 2176.1,2409.1 2176.1,4424.22 3873,4424.22 3876.86,4424.6 3880.57,4425.73 3883.99,4427.55 3886.99,4430.01 4419.19,4962.22 8011.9,4962.22

## Keep-outs
Keep-Out Layer:
  the board outline again, w15.75

## Other copper
Top Layer:
  region net D3V3: 6528,4880 6405,4880 6405,4601 6528,4601
  region net GND: 5655,4939 5567,4939 5567,4877 5655,4877
  region net GND: 6233,4936 6145,4936 6145,4874 6233,4874
  region net GND: 6261,4577 6261,4665 6199,4665 6199,4577
  region net GND: 5682,4595 5682,4683 5620,4683 5620,4595
  region net GND: 6499,5138 6499,5050 6561,5050 6561,5138
  region net GND: 5917,5140 5917,5052 5979,5052 5979,5140
  region net GND: 3781,4335 3571,4335 3571,4255 3781,4255
  rectangle net VIN: 5569,5111 5657,5173
  rectangle net VIN: 6147,5108 6235,5170
  rectangle net VIN: 3693,4519 3781,4581
  rectangle net GND: 3192,4564 3280,4626
  region net VIN: 2951,5219 2863,5219 2863,5157 2951,5157
  region net GND: 3050,5220 2962,5220 2962,5158 3050,5158
  region net A5V: 3202,4445 3378,4445 3417,4406 3417,4239 3260,4239 3222,4277 3222,4369 3202,4389
PWR (plane layer: these items are gaps in the copper):
  lines w19.68: 3445,3684 3445,3669 ; 3445,3669 3445,4316 3298,4316 3298,3837 3294.6,3833.6 3091,3833.6 3091,3669 3445,3669
  lines w39.37: 2158,4444 3873,4444 4411,4982 8032,4982

## Silkscreen, mask and mechanical layers (free items; w line width, h text height)
Top Overlay:
  text "Analog IO FE" at 7299,5346 h70.87
  text ">_<" at 6951,5325.16 h137.8
  text "RF" at 7147,5310 h149.61
  text "MMG3006" at 7299,5289 h70.87
  text "Rev. A" at 7299,5233.74 h70.87
  text "RFPE.io" at 6947,5233 h70.87